# Altium PCB 主控4.PcbDoc
Units mil, origin at the board's own origin, x right, y up, seen from the top; angles counter-clockwise.
Board outline 3937.01 x 2795 mil, 2 copper layers (Top Layer, Bottom Layer); 77 components, 73 nets, 365 pads, 61 vias.
Unrouted connection lines stored in the file: 41.
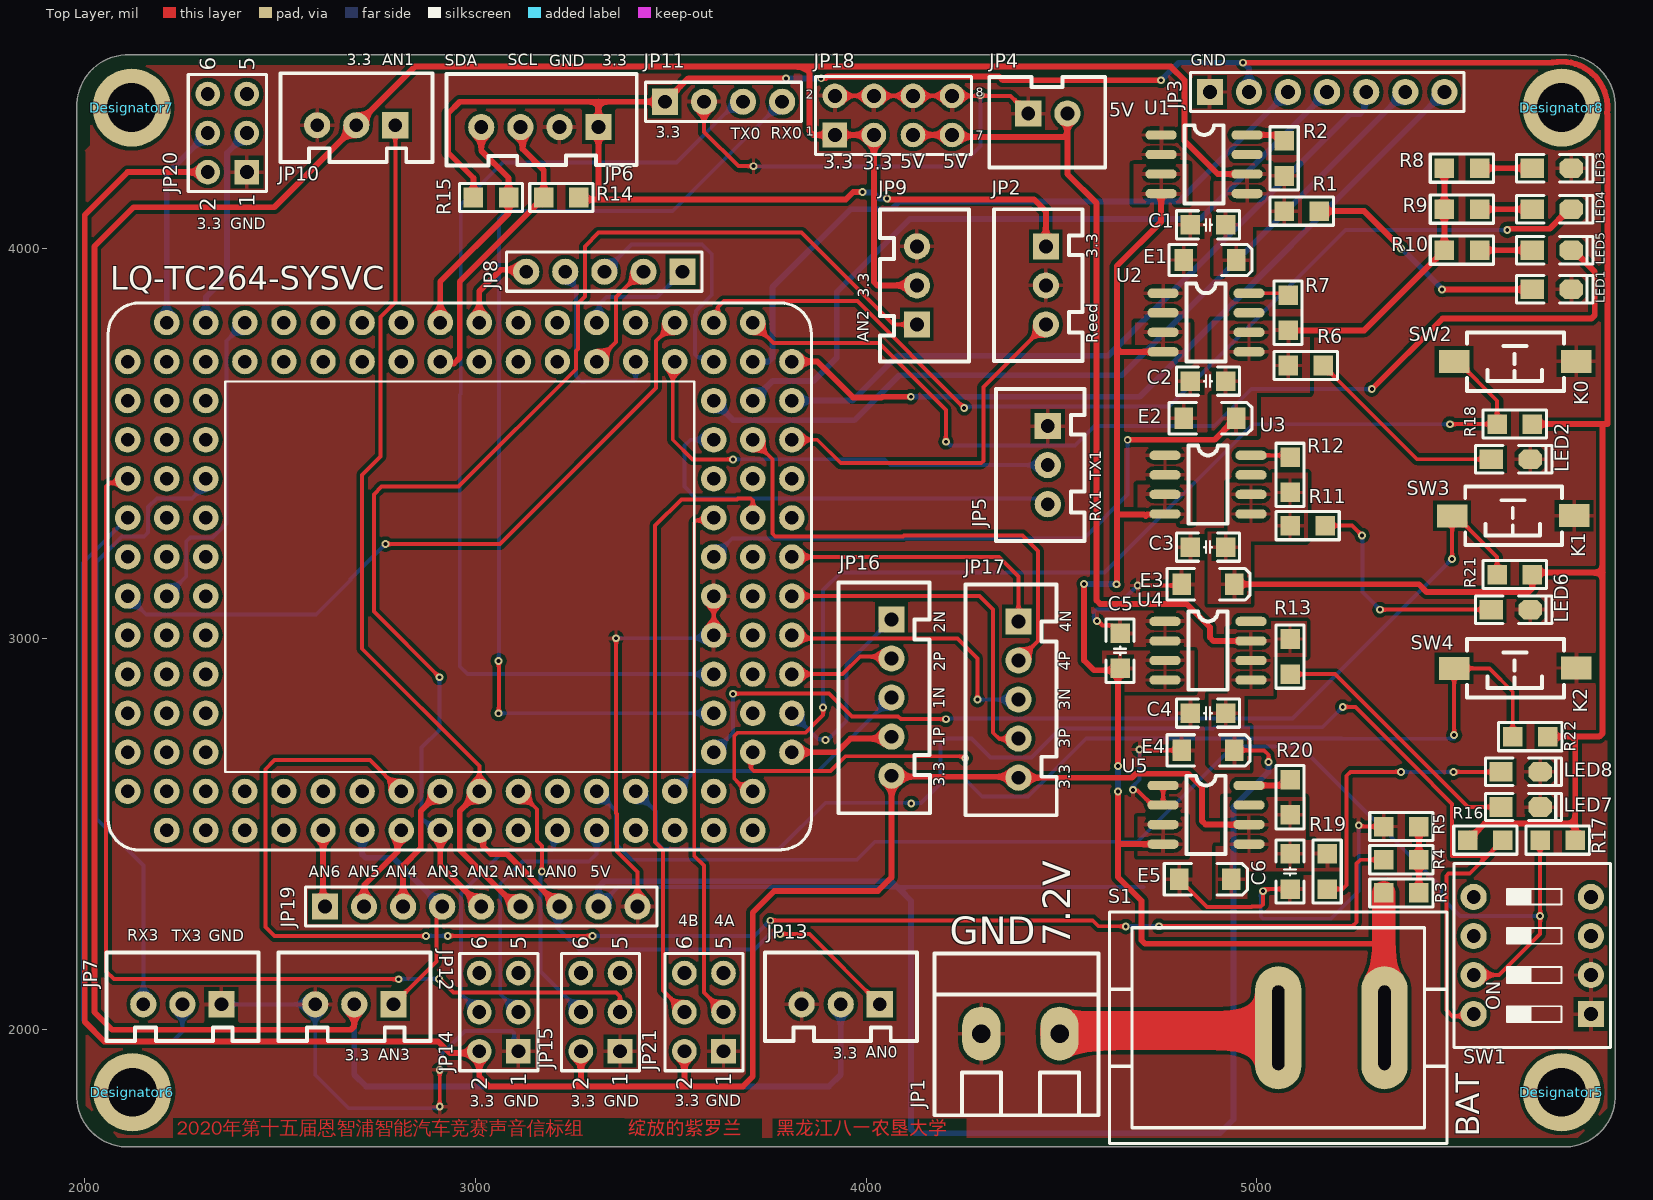
[diagram p0: Top Layer view]
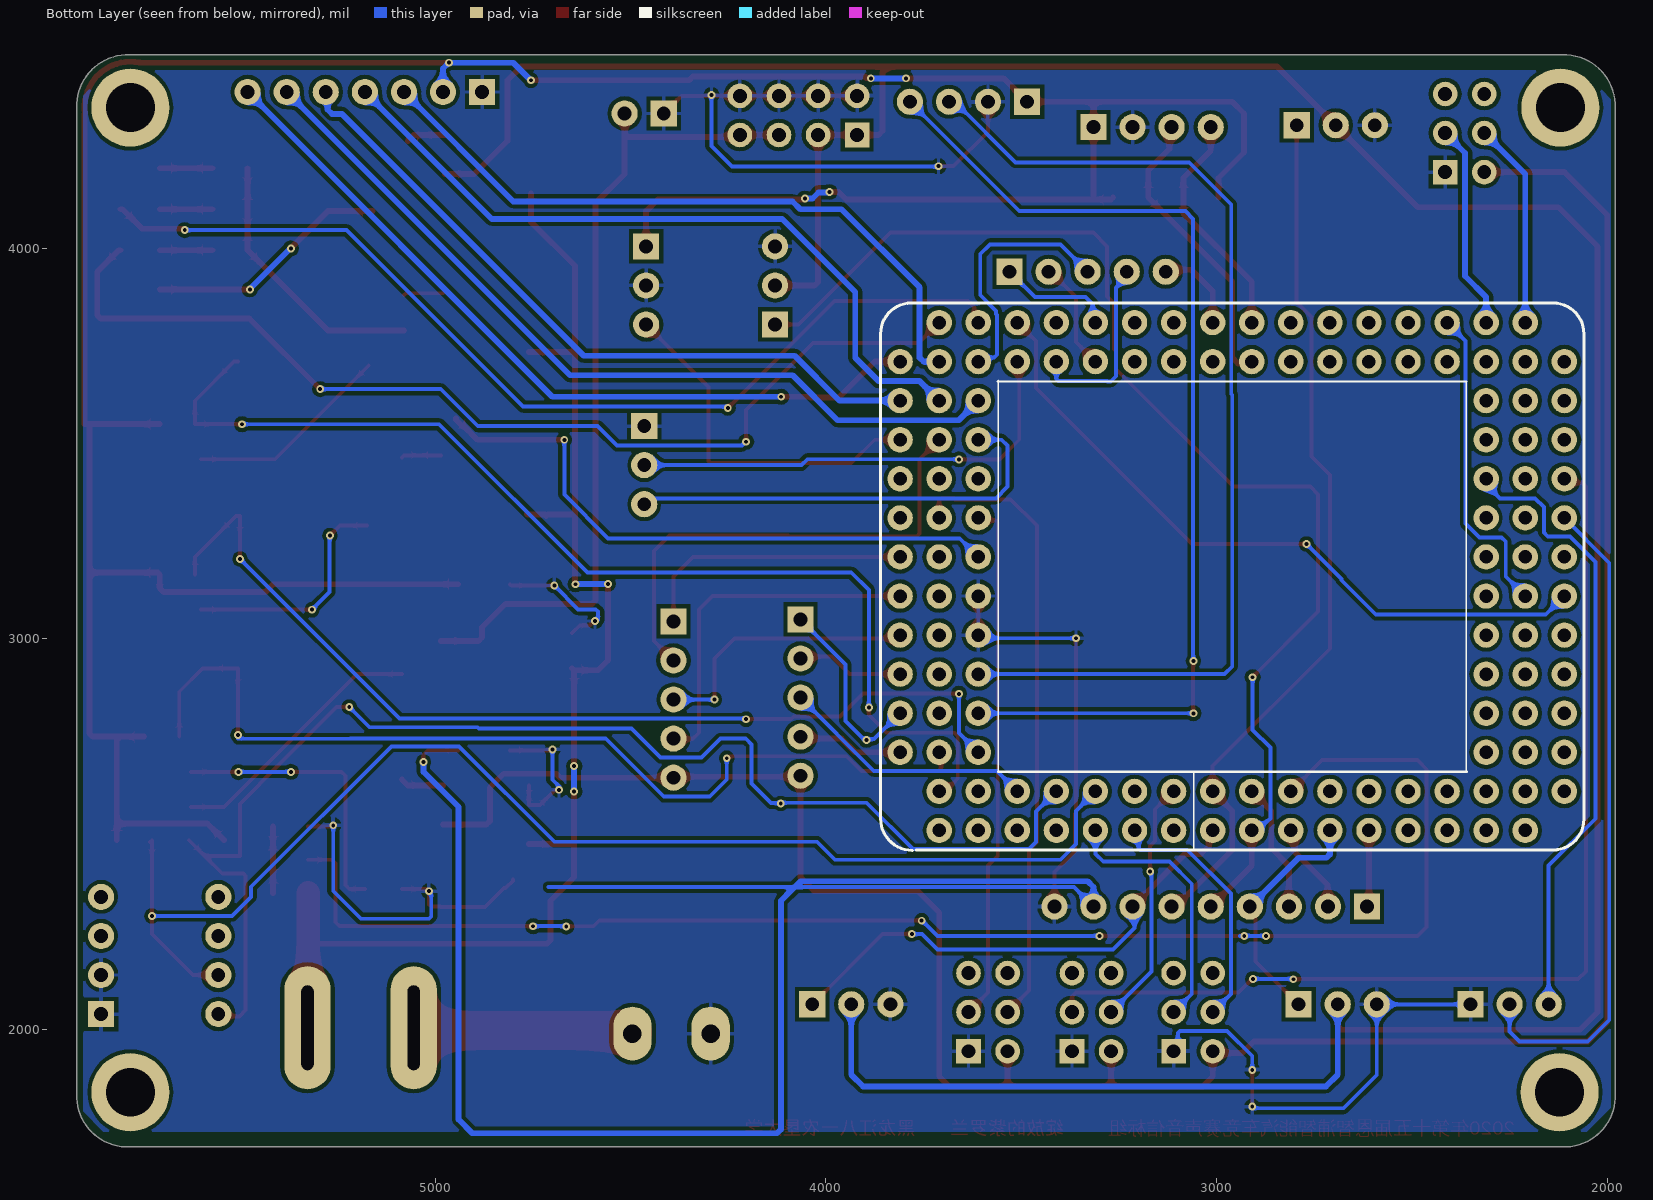
[diagram p1: Bottom Layer view, seen from below]

## Layer stack, top to bottom
Top Solder: solder mask 0.4, Solder Resist, Dk 3.5
Top Layer: signal copper 1.4
Dielectric 1: dielectric 12.6, FR-4, Dk 4.8
Bottom Layer: signal copper 1.4
Bottom Solder: solder mask 0.4, Solder Resist, Dk 3.5

## Board outline
1980,1825 1980,4370 cw(c2110,4365) 2115,4495 5782.01,4495 cw(c5787.01,4365) 5917.01,4370 5917.01,4369 5917.01,1825 cw(c5787.01,1830) 5782.01,1700 2115,1700 cw(c2110,1830)

## Design rules (kind name [scope] priority, off if disabled: settings)
Clearance [All] p1: gap=10 ignorepadtopadclearanceinfootprint=FALSE except(0: Arc-Hole Track-Hole SMDPad-Hole THPad-Hole Via-Hole Fill-Hole Poly-Hole Region-Hole Text-Hole)
PolygonConnect [All] p1: connectstyle=Relief reliefconductorwidth=10 reliefentries=4 polygonreliefangle="90 Angle" airgapwidth=10
RoutingVias [All] p1: holewidth=28 width=50 viastyle="Through Hole" minholewidth=28 minwidth=50 maxholewidth=28 maxwidth=50
SolderMaskExpansion [All] p1: expansion=4 istentingtop=FALSE
Width [All] p1: maxlimit=100 minlimit=10 preferedwidth=10
30 further rules are at their usual default settings.

## Classes and differential pairs
component class 主控4: C1 C2 C3 C4 C5 C6 E1 E2 E3 E4 E5 JP1 JP2 JP3 JP4 JP5 JP6 JP7 JP8 JP9 JP10 JP11 JP12 JP13 JP14 JP15 JP16 JP17 JP18 JP19 JP20 JP21 LED1 LED2 LED3 LED4 LED5 LED6 LED7 LED8 LQ-TC264-SYSVC R1 R2 R3 R4 R5 R6 R7 R8 R9 R10 R11 R12 R13 R14 R15 R16 R17 R18 R19 R20 R21 R22 S1 SW1 SW2 SW3 SW4 U1 U2 U3 U4 U5

## Components (designator, comment, footprint, x,y, rotation, side; value= is the part's Value field where it differs from the comment)
C1 "104" "C 0805_M" 4875,4060 r0 top
C2 "104" "C 0805_M" 4875,3660 r0 top
C3 "104" "C 0805_M" 4875,3235 r0 top
C4 "104" "C 0805_M" 4875,2810 r0 top
C5 "104" "C 0805_M" 4650,2970 r270 top
C6 "104" "C 0805_M" 5085,2405 r90 top
Designator5 "Comment" M3x10_L 5780,1840 r0 top
Designator6 "Comment" M3x10_L 2122.22,1840 r0 top
Designator7 "Comment" M3x10_L 2120,4360 r0 top
Designator8 "Comment" M3x10_L 5780,4360 r0 top
E1 "10uF/6.3V" "CD A(3216)" 4880,3970 r180 top
E2 "10uF/6.3V" "CD A(3216)" 4880,3565 r180 top
E3 "10uF/6.3V" "CD A(3216)" 4875,3140 r180 top
E4 "10uF/6.3V" "CD A(3216)" 4875,2715 r180 top
E5 "10uF/6.3V" "CD A(3216)" 4868.07,2385 r180 top
JP1 "HDR-1X2" KF128-5.08-2P 4395,1990 r0 top
JP2 "HDR-1X3" XH2.54-LI-3P 4460,3905 r270 top
JP3 "HDR-1X7" HDR2.54-M-LI-7P 5180,4400 r0 top
JP4 "HDR-1X2" XH2.54-LI-2P 4465,4345 r0 top
JP5 "HDR-1X3" XH2.54-LI-3P 4465,3445 r270 top
JP6 "HDR-1X4" XH2.54-LI-4P 3165,4310 r180 top
JP7 "HDR-1X3" XH2.54-LI-3P 2250,2065 r180 top
JP8 "HDR-1X5" HDR2.54-LI-5P 3330,3940 r180 top
JP9 "HDR-1X3" XH2.54-LI-3P 4130,3905 r90 top
JP10 "HDR-1X3" XH2.54-LI-3P 2695,4315 r180 top
JP11 "HDR-1X4" HDR2.54-M-LI-4P 3635,4375 r0 top
JP12 "HDR-1X3" XH2.54-LI-3P 2690,2065 r180 top
JP13 "HDR-1X3" XH2.54-LI-3P 3935,2065 r180 top
JP14 "Header3X2" HDR2.54-LI-2x3P 3060,2045 r90 top
JP15 "Header3X2" HDR2.54-LI-2x3P 3320,2045 r90 top
JP16 "HDR-1X5" XH2.54-LI-5P 4065,2850 r270 top
JP17 "HDR-1X5" XH2.54-LI-5P 4390,2845 r270 top
JP18 "Header 4X2" HDR2.54-LI-2x4P 4070,4340 r0 top
JP19 "HDR-1X9" HDR2.54-LI-9P 3015,2315 r0 top
JP20 "Header3X2" HDR2.54-LI-2x3P 2365,4295 r90 top
JP21 "Header3X2" HDR2.54-LI-2x3P 3585,2045 r90 top
LED1 "绿色" "LED 0805R" 5755,3895 r0 top
LED2 "绿色" "LED 0805R" 5650,3460 r0 top
LED3 "绿色" "LED 0805R" 5755,4205 r0 top
LED4 "蓝色" "LED 0805R" 5755,4100 r0 top
LED5 "黄色" "LED 0805R" 5755,3995 r0 top
LED6 "绿色" "LED 0805R" 5650,3075 r0 top
LED7 "红色" "LED 0805R" 5675,2570 r0 top
LED8 "绿色" "LED 0805R" 5675,2660 r0 top
LQ-TC264-SYSVC "LQ-TC264-SYSVC" LQ-TC264-SYSVC-S 2210,2510 r0 top
R1 "5K" "R 0805-HP_M" 5115,4095 r0 top
R2 "5K" "R 0805-HP_M" 5070,4230 r270 top
R3 "5K" "R 0805-HP_M" 5370,2350 r180 top
R4 "5K" "R 0805-HP_M" 5370,2435 r180 top
R5 "5K" "R 0805-HP_M" 5370,2520 r0 top
R6 "5K" "R 0805-HP_M" 5125,3700 r0 top
R7 "5K" "R 0805-HP_M" 5080,3835 r270 top
R8 "1K" "R 0805-HP_M" 5525,4205 r0 top
R9 "1K" "R 0805-HP_M" 5525,4100 r0 top
R10 "1K" "R 0805-HP_M" 5525,3995 r0 top
R11 "5K" "R 0805-HP_M" 5130,3290 r0 top
R12 "5K" "R 0805-HP_M" 5085,3420 r270 top
R13 "5K" "R 0805-HP_M" 5085,2955 r270 top
R14 "2.2K" "R 0805-HP_M" 3220,4130 r180 top
R15 "2.2K" "R 0805-HP_M" 3040,4130 r0 top
R16 "2.2K" "R 0805-HP_M" 5585,2485 r180 top
R17 "2.2K" "R 0805-HP_M" 5770,2485 r0 top
R18 "1K" "R 0805-HP_M" 5660,3550 r0 top
R19 "5K" "R 0805-HP_M" 5180,2405 r270 top
R20 "5K" "R 0805-HP_M" 5085,2595 r270 top
R21 "1K" "R 0805-HP_M" 5660,3165 r0 top
R22 "1K" "R 0805-HP_M" 5700,2750 r0 top
S1 "KCD1-101" KCD1-101 5055,2005 r0 top
SW1 "CSW-4P" "CSW DIP-4P" 5705,2190 r90 top
SW2 "3x6x5" "TSW SMD-3*6*2.5" 5660,3710 r180 top
SW3 "3x6x5" "TSW SMD-3*6*2.5" 5655,3315 r180 top
SW4 "3x6x5" "TSW SMD-3*6*2.5" 5660,2925 r180 top
U1 "TPS76833" SOP8 4756,4291 r0 top
U2 "TPS76833" SOP8 4761,3886 r0 top
U3 "TPS76833" SOP8 4766,3471 r0 top
U4 "TPS7350" SOP8 4766,3046 r0 top
U5 "TPS76833" SOP8 4761,2626 r0 top

## Footprints (in the part's own frame and the unit in brackets; to place one, negate y for a bottom-side part, rotate by r counter-clockwise, add the part's x,y. Pads: shape width x height; smd on the part's side, far side on the other; paste and mask are expansions set on the pad)
"C 0805_M" [mil] "无极性贴片电容"
  rect 50x50 smd: 1(-45,0) 2(45,0)
  silkscreen extent -81,-36 81,36, body extent -39,-24 39,24, height 20
"CD A(3216)" [mm] "长3.2mm，宽1.6mm，厚1.6mm"
  rect 1.2x1.4 smd: 1(-1.7,0) 2(1.7,0)
  silkscreen extent -2.74,-1.02 2.67,1.02, body extent -1.6,-0.8 1.6,0.8, height 1.6
"CSW DIP-4P" [mm] "11.7*9.9*7mm"
  rect 1.7x1.7 hole 0.9: 1(-3.81,-3.81)
  round 1.7 hole 0.9: 2(-1.27,-3.81) 3(1.27,-3.81) 4(3.81,-3.81) 5(3.81,3.81) 6(1.27,3.81) 7(-1.27,3.81) 8(-3.81,3.81)
  silkscreen extent -5.97,-5.08 5.97,5.08, body extent -5.86,-4.95 5.86,4.95, height 6.65
HDR2.54-LI-2x3P [mm] "双排排针，3x2脚"
  rect 1.6x1.6 hole 0.9: 1(-2.54,-1.27)
  round 1.6 hole 0.9: 2(-2.54,1.27) 3(0,-1.27) 4(0,1.27) 5(2.54,-1.27) 6(2.54,1.27)
  silkscreen extent -3.81,-2.54 3.81,2.54, body extent -3.81,-2.54 3.81,2.54, height 8.5
HDR2.54-LI-2x4P [mm] "双排排针，4x2脚"
  rect 1.6x1.6 hole 0.9: 1(-3.81,-1.27)
  round 1.6 hole 0.9: 2(-3.81,1.27) 3(-1.27,-1.27) 4(-1.27,1.27) 5(1.27,-1.27) 6(1.27,1.27) 7(3.81,-1.27) 8(3.81,1.27)
  silkscreen extent -5.08,-2.54 5.08,2.54, body extent -5.08,-2.54 5.08,2.54, height 8.5
HDR2.54-LI-5P [mm] "排针，5脚"
  rect 1.7x1.7 hole 0.9: 1(-5.08,0)
  round 1.7 hole 0.9: 2(-2.54,0) 3(0,0) 4(2.54,0) 5(5.08,0)
  silkscreen extent -6.35,-1.27 6.35,1.27, body extent -6.35,-1.27 6.35,1.27, height 8.5
HDR2.54-LI-9P [mm] "排针，9脚"
  rect 1.7x1.7 hole 0.9: 1(-10.16,0)
  round 1.7 hole 0.9: 2(-7.62,0) 3(-5.08,0) 4(-2.54,0) 5(0,0) 6(2.54,0) 7(5.08,0) 8(7.62,0) 9(10.16,0)
  silkscreen extent -11.43,-1.27 11.43,1.27, body extent -11.43,-1.27 11.43,1.27, height 8.5
HDR2.54-M-LI-4P [mm] "排母，4脚"
  rect 1.7x1.7 hole 0.9: 1(-3.81,0)
  round 1.7 hole 0.9: 2(-1.27,0) 3(1.27,0) 4(3.81,0)
  silkscreen extent -5.08,-1.27 5.08,1.27, body extent -5.08,-1.27 5.08,1.27, height 8.5
HDR2.54-M-LI-7P [mm] "排母，7脚"
  rect 1.7x1.7 hole 0.9: 1(-7.62,0)
  round 1.7 hole 0.9: 2(-5.08,0) 3(-2.54,0) 4(0,0) 5(2.54,0) 6(5.08,0) 7(7.62,0)
  silkscreen extent -8.89,-1.27 8.89,1.27, body extent -8.89,-1.27 8.89,1.27, height 8.5
KCD1-101 [mm] "船型开关立式"
  oval 3x8 hole 0.8 slot 5.5 at 90 deg: 1(0,0) 2(6.9,0)
  silkscreen extent -10.97,-7.52 10.97,7.52, body extent -10.95,-7.5 10.95,7.5, height 20.3
KF128-5.08-2P [mm] "螺钉式接线端子，脚距5.08mm"
  oval 2.5x3.5 hole 1.2: 1(-2.54,0) 2(2.54,0)
  silkscreen extent -5.59,-5.31 5.08,5.21, body extent -5.58,-5.3 5.08,5.2, height 14.15
"LED 0805R" [mil] "红色0805LED"
  rect 60x50 smd: 1(-50,0)
  oct 60x50 smd: 2(50,0)
  silkscreen extent -90,-35 105,35, body extent -39,-25 39,25, height 32
LQ-TC264-SYSVC-S [mm] "单片机核心板封装库"
  round 1.65 hole 0.88: 1(5.08,0) 2(5.08,2.54) 3(7.62,0) 4(7.62,2.54) 5(10.16,0) 6(10.16,2.54) 7(12.7,0) 8(12.7,2.54) 9(15.24,0) 10(15.24,2.54) 11(17.78,0) 12(17.78,2.54) 13(20.32,0) 14(20.32,2.54) 15(22.86,0) 16(22.86,2.54) 17(25.4,0) 18(25.4,2.54) 19(27.94,0) 20(27.94,2.54) 21(30.48,0) 22(30.48,2.54) 23(33.02,0) 24(33.02,2.54) 25(35.56,0) 26(35.56,2.54) 27(38.1,0) 28(38.1,2.54) 30(38.1,5.08) 31(35.56,5.08) 33(38.1,7.62) 34(35.56,7.62) 36(38.1,10.16) 37(35.56,10.16) 39(38.1,12.7) 40(35.56,12.7) 42(38.1,15.24) 43(35.56,15.24) 45(38.1,17.78) 46(35.56,17.78) 48(38.1,20.32) 49(35.56,20.32) 51(38.1,22.86) 52(35.56,22.86) 54(38.1,25.4) 55(35.56,25.4) 57(38.1,27.94) 58(35.56,27.94) 60(38.1,30.48) 61(35.56,30.48) 62(38.1,33.02) 63(35.56,33.02) 64(33.02,33.02) 65(33.02,30.48) 66(30.48,33.02) 67(30.48,30.48) 68(27.94,33.02) 69(27.94,30.48) 70(25.4,33.02) 71(25.4,30.48) 72(22.86,33.02) 73(22.86,30.48) 74(20.32,33.02) 75(20.32,30.48) 76(17.78,33.02) 77(17.78,30.48) 78(15.24,33.02) 79(15.24,30.48) 80(12.7,33.02) 81(12.7,30.48) 82(10.16,33.02) 83(10.16,30.48) 84(7.62,33.02) 85(7.62,30.48) 86(5.08,33.02) 87(5.08,30.48) 88(2.54,33.02) 89(0,33.02) 90(2.54,30.48) 91(0,30.48) 93(2.54,27.94) 94(0,27.94) 96(2.54,25.4) 97(0,25.4) 99(2.54,22.86) 100(0,22.86) 102(2.54,20.32) 103(0,20.32) 105(2.54,17.78) 106(0,17.78) 108(2.54,15.24) 109(0,15.24) 111(2.54,12.7) 112(0,12.7) 114(2.54,10.16) 115(0,10.16) 117(2.54,7.62) 118(0,7.62) 120(2.54,5.08) 121(0,5.08) 123(2.54,2.54) 124(0,2.54) 126(2.54,0) 127(0,0)
  round 1.65 hole 0.88 mask+0.102: 29(40.64,5.08) 32(40.64,7.62) 35(40.64,10.16) 38(40.64,12.7) 41(40.64,15.24) 44(40.64,17.78) 47(40.64,20.32) 50(40.64,22.86) 53(40.64,25.4) 56(40.64,27.94) 59(40.64,30.48) 92(-2.54,30.48) 95(-2.54,27.94) 98(-2.54,25.4) 101(-2.54,22.86) 104(-2.54,20.32) 107(-2.54,17.78) 110(-2.54,15.24) 113(-2.54,12.7) 116(-2.54,10.16) 119(-2.54,7.62) 122(-2.54,5.08) 125(-2.54,2.54)
  silkscreen extent -3.81,-1.27 41.91,34.29
M3x10_L [mil] "M3铜柱，长：10mm"
  round 200 hole 125: 1(0,0)
  body extent -106,-93 106,93, height 396
"R 0805-HP_M" [mil] "1/8W高精度贴片电阻"
  rect 50x50 smd: 1(-45,0) 2(45,0)
  silkscreen extent -81,-36 81,36, body extent -39,-25 39,25, height 20
SOP8 [mil] "（蒜米工坊）"
  oval 80x24 smd: 1(-1,-1) 2(-1,-51) 3(-1,-101) 4(-1,-151) 5(219,-151) 6(219,-101) 7(219,-51) 8(219,-1)
  silkscreen extent 59,-176 159,24, body extent -4,-174 234,24, height 63
"TSW SMD-3*6*2.5" [mm] "3*6*2.5mm"
  rect 2x1.5 smd: 1(-3.996,-0.02) 2(3.937,0)
  silkscreen extent -3.21,-1.9 3.09,1.9, body extent -4,-1.88 4,1.62, height 2.59
XH2.54-LI-2P [mm] "接插件，2P"
  rect 1.7x1.7 hole 0.9: 1(-1.27,0)
  round 1.7 hole 0.9: 2(1.27,0)
  silkscreen extent -3.81,-3.51 3.74,2.37, body extent -3.77,-3.3 3.77,2.4, height 7.05
XH2.54-LI-3P [mm] "接插件，3P"
  rect 1.7x1.7 hole 0.9: 1(-2.54,0)
  round 1.7 hole 0.9: 2(0,0) 3(2.54,0)
  silkscreen extent -4.95,-3.38 4.93,2.39, body extent -5.04,-3.3 5.04,2.4, height 7.03
XH2.54-LI-4P [mm] "接插件，4P"
  rect 1.7x1.7 hole 0.9: 1(-3.81,0)
  round 1.7 hole 0.9: 2(-1.27,0) 3(1.27,0) 4(3.81,0)
  silkscreen extent -6.3,-3.45 6.07,2.49, body extent -6.31,-3.3 6.31,2.4, height 7.03
XH2.54-LI-5P [mm] "接插件，5P"
  rect 1.7x1.7 hole 0.9: 1(-5.08,0)
  round 1.7 hole 0.9: 2(-2.54,0) 3(0,0) 4(2.54,0) 5(5.08,0)
  silkscreen extent -7.48,-3.45 7.52,2.49, body extent -7.58,-3.3 7.58,2.4, height 7.03

## Part data
C1 C2 C3 C4 C5 C6: library part C, "无极性贴片电容", BOM名称=无极性贴片电容, 版权归属=源创客, 学习资源=www.ooocke.com
E1 E2 E3 E4 E5: library part C-CD, "贴片钽电容", BOM名称=贴片钽电容, 版权归属=源创客, 学习资源=www.ooocke.com
JP1 JP4: library part "Header 2", "2P接插件", BOM名称=2P接插件, 版权归属=源创客, 学习资源=www.ooocke.com
JP2 JP5 JP7 JP9 JP10 JP12 JP13: library part "Header 3", "3P接插件", BOM名称=3P接插件, 版权归属=源创客, 学习资源=www.ooocke.com
JP3: library part "Header 7", "7P接插件", BOM名称=7P接插件, 版权归属=源创客, 学习资源=www.ooocke.com
JP6 JP11: library part "Header 4", "4P接插件", BOM名称=4P接插件, 版权归属=源创客, 学习资源=www.ooocke.com
JP8 JP16 JP17: library part "Header 5", "5P接插件", BOM名称=5P接插件, 版权归属=源创客, 学习资源=www.ooocke.com
JP14 JP15 JP20 JP21: library part "Header 3X2", "3*2P接插件", BOM名称=3*2P接插件, 版权归属=源创客, 学习资源=www.ooocke.com
JP18: "4*2P接插件", BOM名称=4*2P接插件, 版权归属=源创客, 学习资源=www.ooocke.com
JP19: library part "Header 9", "9P接插件", BOM名称=9P接插件, 版权归属=源创客, 学习资源=www.ooocke.com
LED1 LED2 LED3 LED4 LED5 LED6 LED7 LED8: library part LED-SMD, "贴片LED", BOM名称=贴片LED, 版权归属=源创客, 学习资源=www.ooocke.com
R1 R2 R3 R4 R5 R6 R7 R8 R9 R10 R11 R12 R13 R14 R15 R16 R17 R18 R19 R20 R21 R22: library part R-Precision, "精密贴片电阻", BOM名称=精密电阻, 版权归属=源创客, 学习资源=www.ooocke.com
S1: "1路单刀船型开关", BOM名称=1路单刀船型开关, 版权归属=源创客, 学习资源=www.ooocke.com
SW1: "4路编码开关", BOM名称=4路编码开关, 版权归属=源创客, 学习资源=www.ooocke.com
SW2 SW3 SW4: library part "TSW 3x6", "3x6轻触开关", BOM名称=3x6轻触开关, 版权归属=源创客, 学习资源=www.ooocke.com
U4: "稳压"

## Via types
v1: diameter 20, hole 10, Top Layer to Bottom Layer, 61 vias

## Nets (pads, with @x,y where several pads share a name; then routed paths per layer and width w, separated by ;. In a path a pad name is that pad's centre, name@x,y a point inside that pad or via, vN(x,y) a via of type N, cw(c..) or ccw(c..) an arc to the next point about the centre after c; other vN are vias at no path point)
13.0: JP8.5 LQ-TC264-SYSVC.74 | length 224.9
  Top Layer w15: LQ-TC264-SYSVC.74 3010,3890 3065,3945 3125,3945 JP8.5
+3.3_1: C3.2 E3.1 JP2.1 JP3.2 JP6.1 JP11.1 R11.1 R12.2 R14.1 R15.1 R16.2 R17.2 R18.2 R21.2 R22.2 U3.5 U3.6 | length 8476.8
  Top Layer w15: R15.1 2995,4180 2930,4245 2930,4345 2960,4375 3315,4375 ; R14.1 3270,4125 3315,4125 ; v1(3795,4435) 3545,4435 JP11.1 3315,4375 ; v1(3885,4435) 3885.96,4435.96 3896.67,4435.96 3900.71,4440 4340,4440 4350,4430 v1(4755,4430) ; v1(3991,4144) 3967,4144 3948,4125 3315,4125 ; v1(4053.54,4127.5) 4056.04,4125 4430,4125 4460,4095 JP2.1 ; E3.1 5415,3140 5435,3120 5695,3120 5705,3130 R21.2 5710,3170 5885,3170 ; v1(4965,4475) 5754.38,4475 ccw(c5754.38,4490) 5757.23,4475.27 cw(c5780,4360) 5896.54,4345.01 5897.5,4344.05 5897.5,3550 5885,3550 ; R16.2 5582.5,2527.5 5815,2527.5 ; R18.2 5885,3550 ; R22.2 5806.21,2750 ; R17.2 5815,2527.5 ; 3315,4125 JP6.1 3315,4375 ; 5806.21,2750 5876.21,2750 5885,2758.79 5885,3170 ; 5806.21,2750 5815,2741.21 5815,2527.5 ; 5885,3170 5885,3550
  Bottom Layer w15: v1(3795,4435) v1(3885,4435) ; v1(3991,4144) 3991.96,4143.04 3995.49,4143.04 3995.54,4143 4019,4143 4034.5,4127.5 v1(4053.54,4127.5) ; v1(4755,4430) 4800,4475 v1(4965,4475) 4980,4460 JP3.2
+3.3_2: C6.2 E5.1 JP14.2 JP15.2 JP16.5 JP17.5 JP20.2 JP21.2 R19.1 R20.2 U5.5 U5.6 | length 6524.3
  Top Layer w15: JP20.2 2110,4195 2000,4085 2000,2020 2050,1970 2905,1970 2935,1940 3005,1940 3010,1935 3010,1880 3035,1855 3270,1855 ; JP15.2 3270,1855 ; JP21.2 3535,1855 ; U5.6 4868.79,2525 4860,2533.79 4860,2620 4825,2655 4690,2655 4680,2645 JP17.5 4387.5,2647.5 4067.5,2647.5 JP16.5 4065,2390 4030,2355 3765,2355 3710,2300 3710,1880 3685,1855 3535,1855 ; 3270,1855 3535,1855
+3.3_9814: C1.2 E1.1 JP9.2 JP10.2 JP12.2 JP13.2 JP18.1 JP18.3 R1.1 R2.2 U1.5 U1.6 | length 8508.8
  Top Layer w15: JP12.2 2690,2008.79 2681.21,2000 2070,2000 2025,2045 2025,4005 2125,4105 2485,4105 JP10.2 2845,4465 3840,4465 ; JP9.2 4028.79,3905 4020,3913.79 JP18.3 JP18.1 3865,4290 3855,4300 3855,4450 3840,4465 ; U1.6 4900,4190 4815,4275 4815,4430 4780,4465 3840,4465
  Bottom Layer w15: JP12.2 2690,1885 2720,1855 3905,1855 3935,1885 JP13.2
+5V_MV: C4.2 E4.1 JP4.2 JP18.5 JP18.7 JP19.8 R13.1 U4.5 U4.6 U4.7 | length 6916.8
  Top Layer w10: E4.1 5018.65,2715 5030,2703.65 v1(5030,2685)
  Top Layer w15: JP18.5 JP18.7 4225,4285 4505,4285 4515,4295 ; JP4.2 4515,4295 ; U4.7 4888.79,2995 4880,3003.79 4880,3030 4820,3090 4598.79,3090 4590,3098.79 4590,4115 4515,4190 4515,4295
  Bottom Layer w10: JP19.8 3365,2365 4080,2365 4710,2365
  Bottom Layer w15: JP19.8 3315,2365 3330,2380 4065,2380 4080,2365 4115,2330 4115,1745 4125,1735 4905,1735 4940,1770 4940,2570 5030,2660 v1(5030,2685)
AN0: JP13.1 JP19.7 LQ-TC264-SYSVC.13 | length 1299.3
  Top Layer w10: v1(3780,2245) 3855,2245 JP13.1
  Top Layer w15: LQ-TC264-SYSVC.13 3019.56,2500.44 3019.56,2470.44 3040,2450 3080,2450 JP19.7
  Bottom Layer w10: JP19.7 3210,2310 3210,2260 3265,2205 3714.58,2205 3754.14,2244.55 3779.55,2244.55 v1(3780,2245)
AN1: JP10.1 JP19.6 LQ-TC264-SYSVC.14 | length 2250.2
  Top Layer w10: JP10.1 2795,3862.15 2757.48,3824.63 2757.48,3467.48 2710,3420 2710,2975 3010,2675 LQ-TC264-SYSVC.14
  Top Layer w15: LQ-TC264-SYSVC.14 2960,2560 2960,2460 3105,2315 JP19.6
AN2: JP9.1 JP19.5 LQ-TC264-SYSVC.11 | length 3155.2
  Top Layer w10: v1@2910,2900 2740,3070 2740,3370 2760,3390 2957.15,3390 3257.48,3690.33 3257.48,3737.48 3262.52,3742.52 3262.52,3858.93 3280,3876.41 3280,4005 3315,4040 3835,4040 4070,3805 JP9.1
  Top Layer w15: LQ-TC264-SYSVC.11 2910,2420 JP19.5
  Bottom Layer w10: v1(2907.81,2902.1) 2907.81,2767.51 2862.52,2722.22 2862.52,2540.86 2869.59,2533.79 2871.34,2533.79 2895.13,2510 LQ-TC264-SYSVC.11
AN3: JP12.1 JP19.4 LQ-TC264-SYSVC.7 | length 623.4
  Top Layer w10: JP12.1 2900,2175 2900,2284.6 2915,2299.6 JP19.4
  Bottom Layer w15: LQ-TC264-SYSVC.7 2710,2448.79 2718.79,2440 2790,2440 JP19.4
AN4: JP19.3 LQ-TC264-SYSVC.12 | length 334.4
  Top Layer w15: JP19.3 2815,2420 2860,2465 2860,2560 LQ-TC264-SYSVC.12
AN5: JP19.2 LQ-TC264-SYSVC.9 | length 234.4
  Top Layer w15: JP19.2 2715.96,2315.96 2715.96,2370.96 2800.44,2455.44 2800.44,2500.44 LQ-TC264-SYSVC.9
AN6: JP19.1 LQ-TC264-SYSVC.5 | length 197.1
  Top Layer w15: LQ-TC264-SYSVC.5 2610,2320 JP19.1
AN7: LQ-TC264-SYSVC.10 R4.2 | length 3859
  Top Layer w10: LQ-TC264-SYSVC.10 2730,2690 2485.86,2690 2462.52,2666.66 2462.52,2262.48 2485.27,2239.73 2874.31,2239.73 v1@2875,2240 ; v1@2929.31,2240 3299.04,2240 v1(3299.31,2239.73) v1@3300,2240 ; v1@3755,2280 4580,2280 4595.27,2264.73 4664.31,2264.73 v1@4665,2265 ; v1@4750,2265 5245,2265 5255,2275 5255,2425 5265,2435 R4.2
  Bottom Layer w10: v1@2875,2240 2940,2240 ; v1@3300,2240 3714.58,2240 v1@3754.31,2279.73 ; v1@3754.04,2280 v1@3754.31,2279.73 ; v1@3755,2280 3754.48,2279.79 v1@3754.31,2279.73 ; v1@4665,2265 4749.04,2265 v1(4749.31,2264.73) v1@4750,2265
  other v1: 2873.63,2239.46 2929.31,2239.73 4664.45,2263.93 3754.76,2279.08
BAT: C5.2 R3.2 S1.2 U1.3 U1.4 U2.3 U2.4 U3.3 U3.4 U4.3 U4.4 U5.3 U5.4 | length 3487.8
  Top Layer w15: v1(4558,3141) 4558,2945 4583,2920 C5.2@4645,2920 ; v1@4643,3138 4642,3139 4642,3317 ; v1(4644.31,2609.73) 4644.31,2470 ; v1(4644.31,2674.73) 4644.31,2919.31 C5.2@4645,2920 ; C5.2 C5.2@4645,2920 ; U1.4 4755,4068 4642,3955 4642,3743.79 ; U5.4 4649.31,2475 4644.31,2470 ; U2.4 4650.79,3735 4642,3743.79 ; U3.4 4763.28,3318.28 4718.84,3318.28 4715.56,3315 4711.56,3319 4644,3319 4642,3317 ; 5325,2215 5320,2220 4713.79,2220 4705,2228.79 4705,2330 4644.31,2390.69 4644.31,2470 ; 4642,3317 4642,3743.79
  Top Layer w60: R3.2 5325,2215 5325,2006.65 S1.2
  Bottom Layer w15: v1(4558,3141) 4639.91,3141 v1(4640.81,3140.1) ; v1@4645,2610 v1@4645,2675
"CSI HSYNC": LQ-TC264-SYSVC.86 LQ-TC264-SYSVC.109 | length 815.8
  Bottom Layer w10: LQ-TC264-SYSVC.109 2260,3160 2260,3249.14 2270.86,3260 2327.15,3260 2362.52,3295.37 2362.52,3762.52 LQ-TC264-SYSVC.86
"CSI VSYNC": LQ-TC264-SYSVC.64 LQ-TC264-SYSVC.110 | length 1801.4
  Top Layer w10: v1(2770,3243.04) 3063.04,3243.04 3462.52,3642.52 3462.52,3762.52 LQ-TC264-SYSVC.64
  Bottom Layer w10: LQ-TC264-SYSVC.110 2157.48,3062.52 2592.52,3062.52 2680.3,3150.3 2680.3,3153.35 v1(2770,3243.04)
"dial SW0": LQ-TC264-SYSVC.20 R17.1 SW1.7 | length 3310.9
  Top Layer w10: SW1.7 5620,2140 5725,2245 v1(5725,2291) R17.1@5725,2480 ; R17.1 R17.1@5725,2480 ; R17.1@5730,2480 R17.1@5725,2480
  Bottom Layer w10: LQ-TC264-SYSVC.20 3360,2560 3360,2475 3400,2435 3977,2435 4023,2481 4695,2481 4939,2725 5112,2725 5471,2366 5471,2340 5520,2291 v1(5725,2291)
"dial SW1": LQ-TC264-SYSVC.22 R16.1 SW1.8 | length 3383.3
  Top Layer w10: v1(5220,2826) 5252.18,2826 5398.18,2680 5500,2578.18 5500,2445 5590,2445 ; SW1.8 5550,2035 5510,2035 5509.14,2034.14 5500.86,2034.14 5485,2050 5485,2394.14 5490.86,2400 5545,2400 5590,2445 ; R16.1 5590,2445
  Bottom Layer w10: LQ-TC264-SYSVC.22 3462,2558 3462,2480 3480,2462 3777,2462 3896,2581 v1@4120,2581 ; v1(4115.58,2579.04) 4116.53,2580 4140,2580 4190,2630 4190,2730 4205,2745 4270,2745 4318.47,2696.53 4423.53,2696.53 4498,2771 4887.92,2771 4891.04,2774.12 5168.12,2774.12 v1(5220,2826)
ENcoder1A: JP14.3 LQ-TC264-SYSVC.19 | length 685.9
  Bottom Layer w10: JP14.3 3063.5,2091.5 3063.5,2373.5 3120,2430 3290,2430 3310,2450 LQ-TC264-SYSVC.19
ENcoder1B: JP14.4 LQ-TC264-SYSVC.17 | length 656.7
  Bottom Layer w10: JP14.4 2963.5,2091.5 2963.5,2348.5 3075,2460 3195,2460 3199.48,2464.48 3199.48,2499.48 LQ-TC264-SYSVC.17
ENcoder2A: JP15.3 LQ-TC264-SYSVC.101 | length 2686.3
  Top Layer w10: LQ-TC264-SYSVC.101 2099.48,3399.48 2064.48,3399.48 2055,3390 2055,2148.99 2074.67,2129.32 v1@2804.32,2129.32 ; v1@2905,2130 2909.31,2129.73 2944.04,2095 3360,2095 3370,2085 JP15.3
  Bottom Layer w10: v1@2804.32,2129.32 2805,2130 v1@2905,2130
  other v1: 2803.64,2129.05 2906.47,2129.6
ENcoder2B: JP15.4 LQ-TC264-SYSVC.16 | length 635.1
  Top Layer w10: LQ-TC264-SYSVC.16 3111.62,2610 3157.48,2564.14 3157.48,2482.52 3170,2470 v1(3170,2405)
  Bottom Layer w10: v1(3170,2405) 3166.54,2401.54 3166.54,2148.46 JP15.4
ENcoder3A: JP20.3 LQ-TC264-SYSVC.88 | length 528.5
  Bottom Layer w15: LQ-TC264-SYSVC.88 2310,3875 2364,3929 2364,4244 JP20.3
ENcoder3B: JP20.4 LQ-TC264-SYSVC.89 | length 528.5
  Bottom Layer w15: LQ-TC264-SYSVC.89 2210,4190 JP20.4
ENcoder4A: JP21.3 LQ-TC264-SYSVC.49 | length 1338.8
  Top Layer w10: LQ-TC264-SYSVC.49 3603.38,3303.38 3565.86,3303.38 3560,3297.52 3560,2445 3585,2420 3585,2095 JP21.3
ENcoder4B: JP21.4 LQ-TC264-SYSVC.48 | length 1601.6
  Top Layer w10: JP21.4 3480,2100 3480,2460 3460,2480 3460,3290 3527.48,3357.48 3670,3357.48 3672.52,3360 3704.14,3360 3710,3354.14 LQ-TC264-SYSVC.48
GND: C1.1 C2.1 C3.1 C4.1 C5.1 C6.1 E1.2 E2.2 E3.2 E4.2 E5.2 JP1.1 JP2.2 JP3.1 JP4.1 JP5.1 JP6.2 JP7.1 JP9.3 JP10.3 JP11.2 JP12.3 JP13.3 JP14.1 JP15.1 JP18.2 JP18.4 JP18.6 JP18.8 JP19.9 JP20.1 JP21.1 LED1.2 LED2.2 LED3.2 LED6.2 LED7.2 LED8.2 LQ-TC264-SYSVC.40 LQ-TC264-SYSVC.43 R5.1 SW1.1 SW1.2 SW2.1 SW3.1 SW4.1 U1.1 U1.2 U2.1 U2.2 U3.1 U3.2 U4.1 U4.2 U5.1 U5.2 | length 5346.9
  Top Layer w10: v1(2908.81,1803.1) v1(2908.81,1897.1) ; v1@3360,2998 3360,2555 3362.52,2552.48 3362.52,2456.28 3415,2403.8 JP19.9 ; JP11.2 3585,4298 3672.9,4210.1 v1(3711.81,4210.1) ; LQ-TC264-SYSVC.40 LQ-TC264-SYSVC.43 ; JP18.2 JP18.4 JP18.6 JP18.8 4370,4390 JP4.1 ; v1(4591,3046) 4593.71,3046 4604.71,3035 4630,3035 C5.1 ; v1(4683,2614) 4684.91,2612.09 4694.91,2612.09 4732,2575 U5.2 U5.1 ; v1(4695,3137) 4805.07,3137 E3.2 ; v1@4702,2715 E4.2 ; E5.2 4801.14,2381.06 4819.76,2362.44 4823.7,2362.44 4872.14,2314 4987,2314 4988,2315 5010.14,2315 5016,2320.86 v1(5015.97,2354.55) ; v1(5015.97,2354.55) 5021.42,2360 C6.1 ; v1@5263,2521 5264,2520 R5.1
  Bottom Layer w10: JP7.1 JP12.3 2590,1884 2675,1799 v1@2913,1799 ; v1(2908.81,1897.1) 2908.81,1932.81 2973,1997 3093.14,1997 3099,1991.14 3099,1956 JP14.1 ; v1(3359.73,3002.01) 3602.01,3002.01 LQ-TC264-SYSVC.40 ; v1@3714,4208 3715,4209 4240,4209 4292.81,4261.81 v1(4292.81,4392.1) ; v1@4583,3049 4583,3070 4589,3076 4634,3076 v1(4695,3137) ; v1@4682,2622 4699.81,2639.81 v1(4699.81,2717.1) ; v1@5010,2347 5010,2289.86 5015.86,2284 5190,2284 5260.81,2354.81 v1(5260.81,2523.1)
KEY0: LQ-TC264-SYSVC.28 R18.1 SW2.2 | length 2852
  Top Layer w10: LQ-TC264-SYSVC.28 3695.13,2610 3672.2,2632.93 3672.07,2632.93 3662.52,2642.48 3662.52,2751.66 3670.86,2760 3845,2760 3890,2805 v1(3890,2825) ; v1(5494.31,3549.73) 5495,3550 R18.1 5615,3609.84 5514.84,3710 SW2.2
  Bottom Layer w10: v1(3890,2825) 3890,3125 3935,3170 4610,3170 4989.73,3549.73 v1(5494.31,3549.73)
KEY1: LQ-TC264-SYSVC.31 R21.1 SW3.2 | length 2523.3
  Top Layer w10: v1(3659.31,2859.73) 3660,2860 3905,2860 3963.46,2801.54 4082,2801.54 4088.81,2794.73 v1(4204.31,2794.73) ; v1(5499.31,3204.73) 5500,3205 SW3.2 5509.84,3315 5615,3209.84 R21.1
  Bottom Layer w10: LQ-TC264-SYSVC.31 3659.31,2759.31 v1(3659.31,2859.73) ; v1(4204.31,2794.73) 4203.46,2796.54 4204.31,2796.54 5091.12,2796.54 v1(5499.31,3204.73)
KEY2: LQ-TC264-SYSVC.30 R22.1 SW4.2 | length 2457.3
  Top Layer w10: LQ-TC264-SYSVC.30 3705,2705 3705,2670 3712.48,2662.52 3909.34,2662.52 3946.82,2700 4248.49,2700 v1(4253.76,2694.73) ; v1(5505,2754.12) SW4.2 5595,2925 5655,2865 R22.1
  Bottom Layer w10: v1(4253.76,2694.73) 4253.76,2640 4297.23,2596.53 4415,2596.53 4563.2,2744.73 4563.47,2745 5217.38,2745 5217.65,2744.73 v1@5504.31,2744.73
"MB LED0": LED5.2 LQ-TC264-SYSVC.62 | length 2663.8
  Top Layer w10: LQ-TC264-SYSVC.62 3762.52,3757.48 4032.52,3757.48 4204.31,3585.69 v1(4204.31,3504.73)
  Top Layer w15: v1@5295,3640 5475,3820 5856.21,3820 5865,3828.79 5865,3940 5810,3995 LED5.2
  Bottom Layer w10: v1@4205,3505 4215,3495 4535,3495 4585,3545 4890.94,3545 4985.67,3639.73 v1(5294.31,3639.73)
"MB LED1": LED4.2 LQ-TC264-SYSVC.63 | length 2557.9
  Top Layer w10: LQ-TC264-SYSVC.63 3620.52,3820.52 3620.52,3849.66 3635.86,3865 3977.63,3865 v1(4251.01,3591.62)
  Top Layer w15: v1@5640,4050 5750,4050 5800,4100 LED4.2
  Bottom Layer w10: v1@4250,3595 4775,3595 5226.62,4046.62 v1(5641.01,4046.62)
"MT1 N": JP16.3 LQ-TC264-SYSVC.24 | length 654.4
  Bottom Layer w10: LQ-TC264-SYSVC.24 3562.5,2662.5 3877.5,2662.5 JP16.3
"MT1 P": JP16.4 LQ-TC264-SYSVC.29 | length 271.6
  Top Layer w15: LQ-TC264-SYSVC.29 3925,2710 3960,2745 4060,2745 JP16.4
"MT2 N": JP16.1 LQ-TC264-SYSVC.32 | length 497.7
  Bottom Layer w10: LQ-TC264-SYSVC.32 3876.47,2743.53 3894.09,2743.53 v1(3896.01,2741.62) ; v1@3895,2740 3900,2740 3950,2790 3950,2935 JP16.1
"MT2 P": JP16.2 LQ-TC264-SYSVC.35 | length 275.7
  Top Layer w10: LQ-TC264-SYSVC.35 3940,2910 3985,2955 4060,2955 JP16.2
"MT3 N": JP17.3 LQ-TC264-SYSVC.38 | length 711.4
  Top Layer w10: LQ-TC264-SYSVC.38 3818.46,3001.54 4233.46,3001.54 4285,2950 v1(4285,2845)
  Bottom Layer w10: v1(4285,2845) v1@4284.66,2844.87 ; JP17.3 4389.87,2844.87 v1@4284.66,2844.87 ; v1@4284.66,2844.87 4284.45,2844.87 4284.31,2844.73 v1@4284.66,2844.87
"MT3 P": JP17.4 LQ-TC264-SYSVC.41 | length 916.4
  Top Layer w10: LQ-TC264-SYSVC.41 4290,3110 4325,3075 4325,2760 4340.86,2744.14 4389.14,2744.14 JP17.4
"MT4 N": JP17.1 LQ-TC264-SYSVC.44 | length 715.7
  Top Layer w10: LQ-TC264-SYSVC.44 4340,3210 4390,3160 JP17.1
"MT4 P": JP17.2 LQ-TC264-SYSVC.54 | length 1262.1
  Top Layer w10: LQ-TC264-SYSVC.54 3760,3460 3760,3270 3767.48,3262.52 4093.93,3262.52 4096.41,3265 4400,3265 4440,3225 4440,2995 JP17.2
NetJP1_2: JP1.2 S1.1 | length 574
  Top Layer w100: JP1.2 4495,1996.71 4495.79,1997.5 5054.13,1997.5 5055,1998.37 S1.1
NetLED1_1: LED1.1 R1.2 | length 629.2
  Top Layer w15: R1.2 5275,4095 v1@5370,4000 ; v1(5474.31,3894.73) 5704.73,3894.73 LED1.1
  Bottom Layer w15: v1(5369.31,3999.73) 5370.27,3999.73 v1@5475,3895
NetLED2_1: LED2.1 R6.2 | length 529.4
  Top Layer w10: R6.2 5410,3460 LED2.1
NetLED3_1: LED3.1 R8.2 | length 135
  Top Layer w15: R8.2 LED3.1
NetLED4_1: LED4.1 R9.2 | length 135
  Top Layer w15: R9.2 LED4.1
NetLED5_1: LED5.1 R10.2 | length 135
  Top Layer w15: R10.2 LED5.1
NetLED6_1: LED6.1 R11.2 | length 598.4
  Top Layer w10: R11.2 5244.04,3290 v1(5269.31,3264.73) ; v1(5315,3075) LED6.1
  Bottom Layer w10: v1@5270,3265 5270,3120 v1(5315,3075)
NetLED7_1: LED7.1 R13.2 | length 680.8
  Top Layer w10: R13.2 5200,2910 5540,2570 LED7.1
NetLED8_1: LED8.1 R19.2 | length 736.4
  Top Layer w10: R19.2 5220,2360 5230,2370 5230,2650 5240,2660 v1@5370,2660 ; v1@5505,2660 5504.31,2659.73 5624.73,2659.73 LED8.1
  Bottom Layer w10: v1@5505,2660 v1@5370,2660 ; v1@5370,2660 5369.58,2660 v1(5369.31,2659.73) v1@5370,2660
  other v1: 5503.63,2659.46
NetR2_1: R2.1 U1.8 | length 101.2
  Top Layer w15: U1.8 5055,4290 R2.1
NetR3_1: R3.1 R4.1 R5.2 | length 170
  Top Layer w15: R3.1 R4.1 R5.2
NetR7_1: R7.1 U2.8 | length 102.1
  Top Layer w10: U2.8 5075,3885 R7.1
NetR12_1: R12.1 U3.8 | length 102.1
  Top Layer w10: U3.8 5080,3470 R12.1
NetR20_1: R20.1 U5.8 | length 111.2
  Top Layer w15: U5.8 5070,2625 R20.1
Reed: JP2.3 LQ-TC264-SYSVC.53 | length 932.7
  Top Layer w10: LQ-TC264-SYSVC.53 3875,3510 3935,3450 4294.14,3450 4300,3455.86 4300,3645 JP2.3
RX0: JP11.4 LQ-TC264-SYSVC.34 | length 2666.7
  Top Layer w10: v1@3059.45,2809.87 v1(3059.31,2809.73) 3060,2810 v1@3060,2944.04
  Bottom Layer w10: v1(3059.31,2809.73) 3059.45,2809.87 3609.87,2809.87 LQ-TC264-SYSVC.34 ; v1@3060,2944.04 3059.31,2944.73 3060,2945 3060,4075 3080,4095 3505,4095 JP11.4
  other v1: 3059.31,2943.77
RX1: JP5.3 LQ-TC264-SYSVC.55 | length 1134.9
  Bottom Layer w10: LQ-TC264-SYSVC.55 3550,3510 3535,3495 3535,3390 3565,3360 4434.6,3360 4449.6,3345 JP5.3
RX3: JP7.3 LQ-TC264-SYSVC.99 | length 1597
  Bottom Layer w10: JP7.3 2150,2420 2030,2540 2030,3197.52 2095,3262.52 2152.52,3262.52 2162.5,3272.5 2162.5,3337.5 2185,3360 2274.87,3360 2310,3395.13 LQ-TC264-SYSVC.99
SCL: JP6.3 LQ-TC264-SYSVC.77 R14.2 | length 762.2
  Top Layer w15: LQ-TC264-SYSVC.77 2915,3705 2945,3705 2960.02,3720.02 2960.02,3915.02 R14.2 3175,4200 3120.96,4254.04 3120.96,4304.04 JP6.3
SDA: JP6.4 LQ-TC264-SYSVC.76 R15.2 | length 601.5
  Top Layer w15: LQ-TC264-SYSVC.76 2910,3915 3085,4090 R15.2 3085,4180 3015,4250 JP6.4
"SPI CS0": JP8.4 LQ-TC264-SYSVC.67 | length 483.8
  Bottom Layer w10: JP8.4 3230,3926.42 3257.48,3898.94 3257.48,3672.52 3270.86,3659.14 3279.14,3659.14 3280,3660 3404.14,3660 3410,3665.86 LQ-TC264-SYSVC.67
"SPI MISO": JP8.2 LQ-TC264-SYSVC.69 | length 282.6
  Top Layer w10: LQ-TC264-SYSVC.69 3360,3760 3360,3875 3425,3940 JP8.2
"SPI MOSI": JP8.3 LQ-TC264-SYSVC.61 | length 644.2
  Bottom Layer w10: JP8.3 3400,4010 3580,4010 3605,3985 3605,3880 3565,3840 3565,3832.15 3562.52,3829.67 3562.52,3727.48 3569.48,3720.52 3599.48,3720.52 LQ-TC264-SYSVC.61
"SPI SCK": JP8.1 LQ-TC264-SYSVC.68 | length 297.3
  Bottom Layer w10: LQ-TC264-SYSVC.68 3317.48,3817.48 3317.48,3857.48 3335,3875 3465,3875 JP8.1
"TFT CS": JP3.7 LQ-TC264-SYSVC.59 | length 2031.8
  Top Layer w15: LQ-TC264-SYSVC.59 3875,3710 3966.77,3618.23 4039.05,3618.23 4040.81,3620 v1(4114.44,3620)
  Bottom Layer w15: v1(4114.44,3620) 4700,3620 JP3.7
"TFT DC": JP3.6 LQ-TC264-SYSVC.58 | length 2138.6
  Bottom Layer w15: LQ-TC264-SYSVC.58 3659.98,3560.02 3970.02,3560.02 4085,3675 4655,3675 JP3.6
"TFT RST": JP3.5 LQ-TC264-SYSVC.56 | length 1820.7
  Bottom Layer w15: LQ-TC264-SYSVC.56 3965,3610 4080,3725 4620,3725 5239.12,4344.12 5264.12,4344.12 5275.43,4355.43 5275.43,4395.43 JP3.5
"TFT SCK": JP3.4 LQ-TC264-SYSVC.57 | length 1895.6
  Bottom Layer w15: LQ-TC264-SYSVC.57 3760.02,3660.02 3865.02,3660.02 3925,3720 3925,3888 4112,4075 4855,4075 JP3.4
"TFT SDI": JP3.3 LQ-TC264-SYSVC.60 | length 1770.5
  Bottom Layer w15: LQ-TC264-SYSVC.60@3703.48,3716.52 LQ-TC264-SYSVC.60 3750,3710 3760,3720 3760,3900 3960,4100 4065.36,4100 4085.36,4120 4800,4120 JP3.3
TX0: JP11.3 LQ-TC264-SYSVC.37 | length 2673.1
  Bottom Layer w10: LQ-TC264-SYSVC.37 2980,2910 2960,2930 2960,3625 2962.52,3627.52 2962.52,4112.52 3070,4220 3515,4220 3670,4375 JP11.3
TX1: JP5.2 LQ-TC264-SYSVC.65 | length 1188.4
  Top Layer w10: LQ-TC264-SYSVC.65 3505,3705 3505,3510 3555.27,3459.73 v1(3659.31,3459.73)
  Bottom Layer w10: v1@3660,3460 4047.3,3460 4062.3,3445 JP5.2
TX3: JP7.2 LQ-TC264-SYSVC.104 | length 1690.8
  Bottom Layer w10: LQ-TC264-SYSVC.104 1995,3195 1995,2025 2050,1970 2225,1970 2250,1995 JP7.2
V3.3: C2.2 E2.1 LQ-TC264-SYSVC.46 R6.1 R7.2 R8.1 R9.1 R10.1 U2.5 U2.6 | length 2263.3
  Top Layer w15: v1(4669.5,3509.73) 4669.77,3510 4891.93,3510 4926.87,3544.94 4930.81,3544.94 4946.93,3561.06 E2.1 ; R7.2 5275,3790 R10.1 R9.1 R8.1
  Bottom Layer w10: LQ-TC264-SYSVC.46 3657.48,3257.48 4557.48,3257.48 4669.5,3369.5 v1(4669.5,3509.73)
pads on no net: Designator5.1 Designator6.1 Designator7.1 Designator8.1 JP14.5 JP14.6 JP15.5 JP15.6 JP20.5 JP20.6 JP21.5 JP21.6 LQ-TC264-SYSVC.1 LQ-TC264-SYSVC.2 LQ-TC264-SYSVC.3 LQ-TC264-SYSVC.4 LQ-TC264-SYSVC.6 LQ-TC264-SYSVC.8 LQ-TC264-SYSVC.15 LQ-TC264-SYSVC.18 LQ-TC264-SYSVC.21 LQ-TC264-SYSVC.23 LQ-TC264-SYSVC.25 LQ-TC264-SYSVC.26 LQ-TC264-SYSVC.27 LQ-TC264-SYSVC.33 LQ-TC264-SYSVC.36 LQ-TC264-SYSVC.39 LQ-TC264-SYSVC.42 LQ-TC264-SYSVC.45 LQ-TC264-SYSVC.47 LQ-TC264-SYSVC.50 LQ-TC264-SYSVC.51 LQ-TC264-SYSVC.52 LQ-TC264-SYSVC.66 LQ-TC264-SYSVC.70 LQ-TC264-SYSVC.71 LQ-TC264-SYSVC.72 LQ-TC264-SYSVC.73 LQ-TC264-SYSVC.75 LQ-TC264-SYSVC.78 LQ-TC264-SYSVC.79 LQ-TC264-SYSVC.80 LQ-TC264-SYSVC.81 LQ-TC264-SYSVC.82 LQ-TC264-SYSVC.83 LQ-TC264-SYSVC.84 LQ-TC264-SYSVC.85 LQ-TC264-SYSVC.87 LQ-TC264-SYSVC.90 LQ-TC264-SYSVC.91 LQ-TC264-SYSVC.92 LQ-TC264-SYSVC.93 LQ-TC264-SYSVC.94 LQ-TC264-SYSVC.95 LQ-TC264-SYSVC.96 LQ-TC264-SYSVC.97 LQ-TC264-SYSVC.98 LQ-TC264-SYSVC.100 LQ-TC264-SYSVC.102 LQ-TC264-SYSVC.103 LQ-TC264-SYSVC.105 LQ-TC264-SYSVC.106 LQ-TC264-SYSVC.107 LQ-TC264-SYSVC.108 LQ-TC264-SYSVC.111 LQ-TC264-SYSVC.112 LQ-TC264-SYSVC.113 LQ-TC264-SYSVC.114 LQ-TC264-SYSVC.115 LQ-TC264-SYSVC.116 LQ-TC264-SYSVC.117 LQ-TC264-SYSVC.118 LQ-TC264-SYSVC.119 LQ-TC264-SYSVC.120 LQ-TC264-SYSVC.121 LQ-TC264-SYSVC.122 LQ-TC264-SYSVC.123 LQ-TC264-SYSVC.124 LQ-TC264-SYSVC.125 LQ-TC264-SYSVC.126 LQ-TC264-SYSVC.127 SW1.3 SW1.4 SW1.5 SW1.6 U1.7 U2.7 U3.7 U4.8 U5.7

## Polygon pours and split planes (outlines as drawn)
GND on Top Layer "GND_L01_P040" (solid, pour order 40): 2132,4475 2098,4441 2014,4441 2014,4264 2000,4250 2003,4247 2003,1806 2085,1724 5822,1724 5897,1799 5897,4391 5822,4466 5822,4469 2054,4469 2027,4442
V3.3 on Top Layer "V3.3_L01_P020" (solid, pour order 20): 5045,3815 5045,3835 5135,3835 5135,3630 5000,3630 5000,3520 4885,3520 4885,3815
+5V_MV on Top Layer "+5V_MV_L01_P017" (solid, pour order 17): 4925,3025 5037.5,3025 5037.5,3044.91 5127.5,3044.91 5127.5,2954.91 5042.5,2954.91 5042.5,2854.91 4967.5,2854.91 4967.5,2774.91 4982.5,2774.91 4982.5,2664.91 4892.5,2664.91 4877.5,2679.91 4877.5,2859.91 4925,2859.91
+3.3_1 on Top Layer "+3.3_1_L01_P016" (solid, pour order 16): 4925,3400 5040,3400 5040,3425 5130,3425 5130,3255 5125,3250 4985,3250 4985,3090 4875,3090 4875,3275 4925,3275
+3.3_9814 on Top Layer "+3.3_9814_L01_P015" (solid, pour order 15): 4895,4215 5110,4215 5110,4130 5115,4130 5115,4055 4990,4055 4990,3940 4980,3930 4890,3930 4890,4210
BAT on Top Layer "BAT_L01_P010" (solid, pour order 10): 4684.44,4215 4824.44,4215 4824.44,4115 4684.44,4115
BAT on Top Layer "BAT_L01_P009" (solid, pour order 9): 4689.44,3810 4829.44,3810 4829.44,3710 4689.44,3710
BAT on Top Layer "BAT_L01_P007" (solid, pour order 7): 4695,2545 4820,2545 4820,2445 4695,2445
BAT on Top Layer "BAT_L01_P006" (solid, pour order 6): 4605,2970 4840,2970 4840,2865 4605,2865
+3.3_2 on Top Layer "+3.3_2_L01_P003" (solid, pour order 3): 4915,2470 4915,2595 5125,2595 5125,2485 5215,2485 5215,2405 4975,2405 4975,2335 4895,2335 4895,2470
BAT on Top Layer "BAT_L01_P008" (solid, pour order 8): 4695,3395 4835,3395 4835,3295 4695,3295
BAT on Top Layer "BAT_L01_P012" (solid, pour order 12): 4880,4215
GND on Bottom Layer "GND_L02_P039" (solid, pour order 39): 2060,4456 5804,4456 5820,4472 5901,4391 5901,1791 5849,1739 2052,1739 1991,1800 1991,4382 2048,4439 2048,4460

## Other copper
Top Layer:
  text "2020年第十五届恩智浦智能汽车竞赛声音信标组" at 2235,1720 h60
  text "绽放的紫罗兰" at 3390,1720 h60
  text "黑龙江八一农垦大学" at 3770,1720 h60

## Silkscreen, mask and mechanical layers (free items; w line width, h text height)
Top Overlay:
  text "3.3" at 2671,4458.55 h50
  text "SCL" at 3083,4458.55 h50
  text "AN1" at 2762,4458 h50
  text "3.3" at 3325,4457.55 h50
  text "GND" at 4831,4457.55 h50
  text "SDA" at 2921,4456.55 h50
  text "GND" at 3189,4455.55 h50
  text "5V" at 4622,4325.67 h60
  text "3.3" at 3461,4272.55 h50
  text "RX0" at 3756,4270.55 h50
  text "TX0" at 3654,4268.55 h50
  text "5V" at 4087,4193.67 h60
  text "5V" at 4197,4193.67 h60
  text "3.3" at 3890,4192.67 h60
  text "3.3" at 3992,4189.67 h60
  text "3.3" at 2287,4038.55 h50
  text "GND" at 2373,4038.55 h50
  text "3.3" at 4602.45,3974 h50 r90
  text "3.3" at 4018.45,3874 h50 r90
  text "AN2" at 4017,3759 h50 r90
  text "Reed" at 4603.49,3757 h50 r90
  text "K0" at 5860.33,3598 h60 r90
  text "TX1" at 4612,3406 h50 r90
  text "RX1" at 4612,3300 h50 r90
  text "K1" at 5852,3209 h60 r90
  text "4N" at 4535,3017 h50 r90
  text "2N" at 4213,3015.95 h50 r90
  text "4P" at 4533,2919 h50 r90
  text "2P" at 4213,2916.95 h50 r90
  text "1N" at 4211,2821 h50 r90
  text "3N" at 4532.45,2817 h50 r90
  text "K2" at 5857,2811 h60 r90
  text "1P" at 4212,2724 h50 r90
  text "3P" at 4532.45,2721 h50 r90
  text "3.3" at 4211.45,2622 h50 r90
  text "3.3" at 4532.45,2616 h50 r90
  text "AN6" at 2573,2379.55 h50
  text "AN5" at 2675,2379.69 h50
  text "AN4" at 2770,2379.69 h50
  text "AN3" at 2877,2379.55 h50
  text "AN2" at 2979,2379.55 h50
  text "AN1" at 3073,2379.55 h50
  text "AN0" at 3179,2379.55 h50
  text "5V" at 3294,2379.69 h50
  text "4B" at 3519,2254 h50
  text "4A" at 3611,2254 h50
  text "GND" at 4214,2219 h70
  text "RX3" at 2109,2217.55 h50
  text "TX3" at 2223,2216.55 h50
  text "GND" at 2317,2216.55 h50
  text "7.2V" at 4523,2214 h70 r90
  text "AN0" at 3999,1918.55 h50
  text "3.3" at 3915,1915.55 h50
  text "AN3" at 2751,1911.55 h50
  text "3.3" at 2665,1910.55 h50
  text "3.3" at 3510,1793.55 h50
  text "GND" at 3590,1793.55 h50
  text "3.3" at 2985,1792.55 h50
  text "GND" at 3073,1792.55 h50
  text "3.3" at 3244,1792.55 h50
  text "GND" at 3329,1792.55 h50
  text "BAT" at 5569,1726 h60 r90
Mechanical 1:
  lines w5: 5917.01,4369 5917.01,1825 cw(c5787.01,1830) 5782.01,1700 2115,1700 cw(c2110,1830) 1980,1825 1980,4370 cw(c2110,4365) 2115,4495 5782.01,4495 cw(c5787.01,4365) 5917.01,4370

## Text inside footprints (layer, text, board x,y; h text height)
JP14: Top Overlay "1" at 3130,1855 h40 r90; Top Overlay "2" at 3030,1845 h40 r90; Top Overlay "5" at 3130,2205 h40 r90; Top Overlay "6" at 3030,2205 h40 r90
JP15: Top Overlay "1" at 3390,1855 h40 r90; Top Overlay "2" at 3290,1845 h40 r90; Top Overlay "5" at 3390,2205 h40 r90; Top Overlay "6" at 3290,2205 h40 r90
JP18: Top Overlay "7" at 4280,4270 h40; Top Overlay "2" at 3845,4375 h40; Top Overlay "1" at 3845,4280 h40; Top Overlay "8" at 4280,4380 h40
JP20: Top Overlay "1" at 2435,4105 h40 r90; Top Overlay "2" at 2335,4095 h40 r90; Top Overlay "5" at 2435,4455 h40 r90; Top Overlay "6" at 2335,4455 h40 r90
JP21: Top Overlay "1" at 3655,1855 h40 r90; Top Overlay "2" at 3555,1845 h40 r90; Top Overlay "5" at 3655,2205 h40 r90; Top Overlay "6" at 3555,2205 h40 r90
SW1: Top Overlay "ON" at 5635,2050 h60 r90